# KiCad board tida_010057_imported.kicad_pcb (continued)
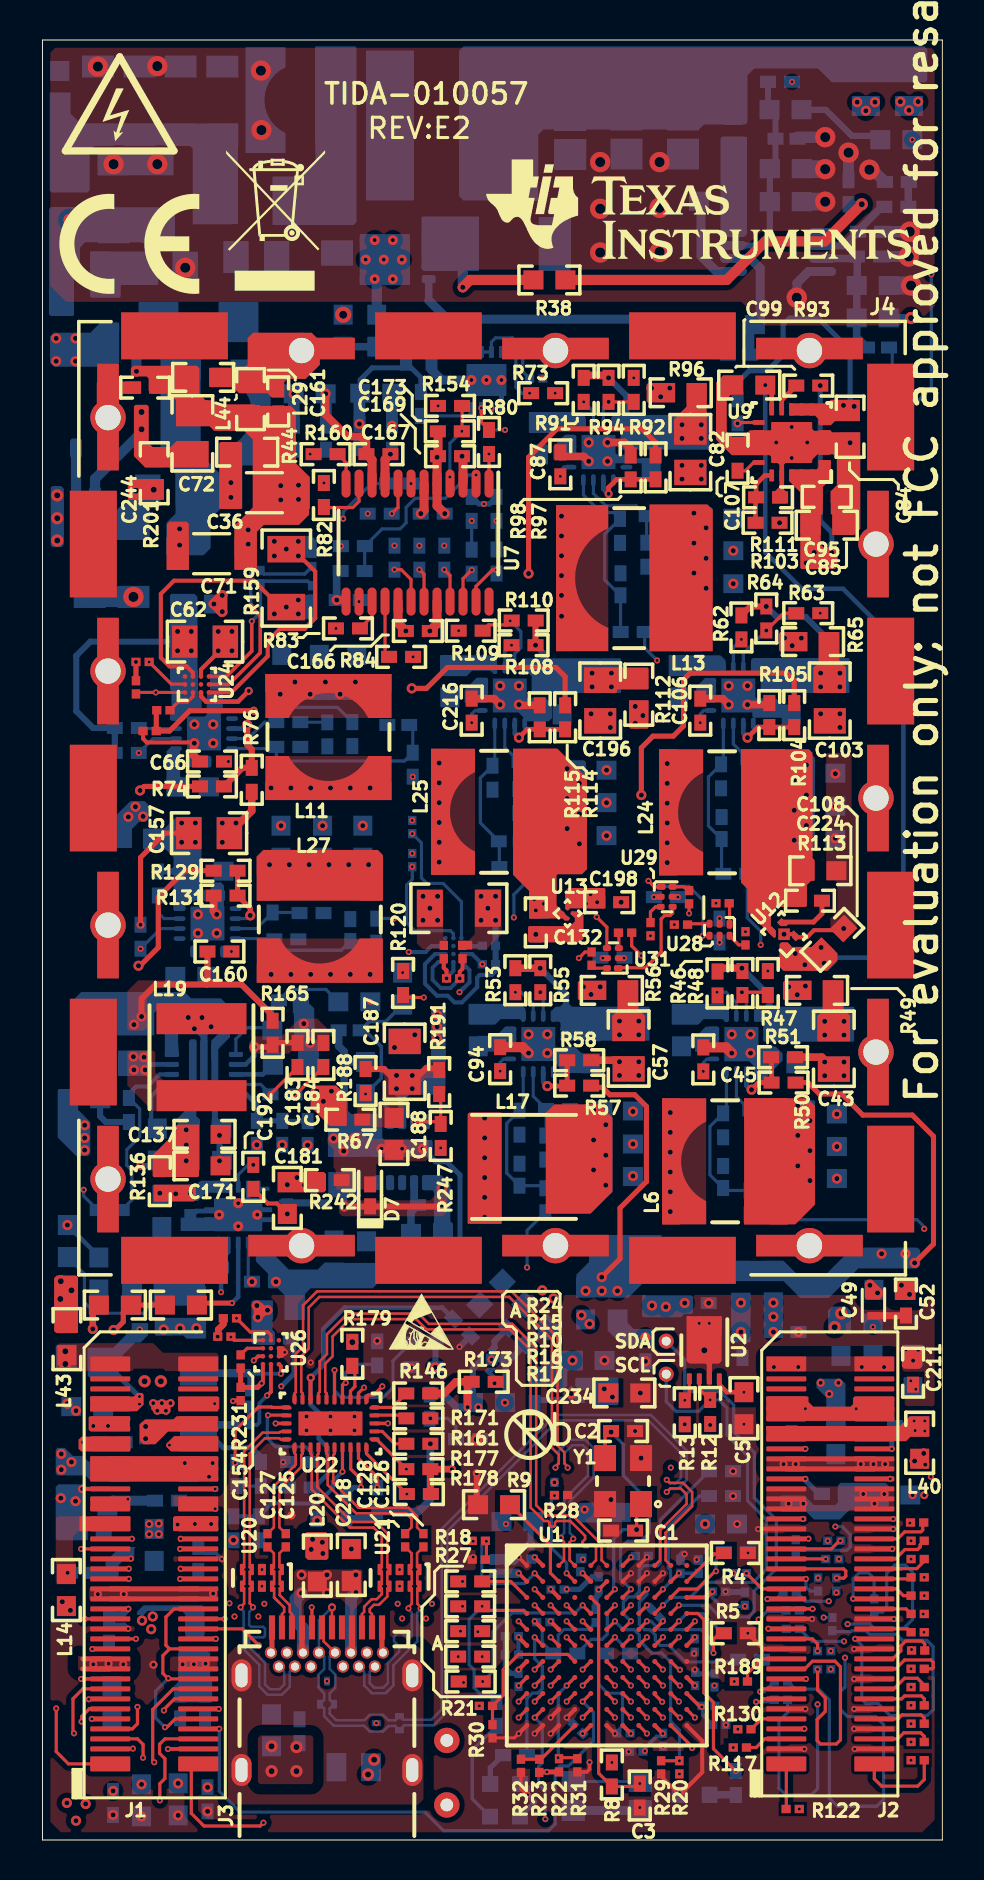
[diagram p0: board, top side]
## Routing (per net, layer and track width the routed paths; a pad name or vN(x,y) marks a point on that pad's centre or on a via; arc(x,y) is an arc through that point) (continued)
NetR219_1: length 32.6
  Top Layer w0.159: v2(24.61,6.92) U1.J2
  Signal Layer 1 w0.102: v2(43.43,14.05) 42.42,14.05 39.16,17.31 37.01,17.31 35.01,15.31 32.69,15.31 31.95,16.05 29.44,16.05 29.1,15.71 26.84,15.71 26.68,15.88 24.64,15.88 23.05,14.28 23.05,7.99 23.69,7.34 23.95,7.34 24.37,6.92 v2(24.61,6.92)
NetR220_1: length 31.7
  Top Layer w0.159: v2(25.41,6.92) U1.J3
  Signal Layer 2 w0.102: v2(25.41,6.92) 25.11,6.92 24.74,7.29 22.64,7.29 22.4,7.53 21.81,7.53 21.44,7.89 21.44,8.26 21.87,8.69 22.3,8.69 22.65,9.04 22.65,10.43 22.8,10.58 23.96,10.58 23.96,10.59 24.01,10.59 24.26,10.34 24.26,9.93 24.56,9.63 25.68,9.63 25.86,9.8 25.86,11.13 26.02,11.29 26.45,11.29 26.66,11.5 26.66,11.88 27.43,12.65 27.43,14.68 28.76,16.01 30.12,16.01 30.45,15.67 30.45,14.73 30.53,14.66 31.22,14.66 31.34,14.78 31.34,15.77 31.9,16.33 34.82,16.33 35.17,15.98 35.17,14.79 34.54,14.16 v2(34.54,13.34)
NetR221_1: length 32.7
  Top Layer w0.159: v2(23.81,6.92) U1.J1
  Signal Layer 1 w0.102: v2(23.81,6.92) 23.71,6.92 22.75,7.88 22.75,14.38 24.57,16.21 26.75,16.21 26.96,16 28.95,16 29.29,16.34 34.9,16.34 36.15,17.59 39.27,17.59 41.91,14.96 42.68,14.96 42.84,14.79 42.84,14.45 42.94,14.36 43.2,14.36 43.43,14.59 v2(43.43,14.96)
NetR222_1: length 30.9
  Top Layer w0.159: v2(24.61,7.72) U1.H2
  Signal Layer 1 w0.102: v2(39.83,14.05) 40.46,14.05 40.89,14.48 40.89,15.01 40.59,15.31 39.11,15.31 38.2,14.4 35.78,14.4 35.44,14.74 26.76,14.74 26.61,14.58 25.65,14.58 25.47,14.77 25.47,15.07 25.35,15.19 24.92,15.19 24.76,15.03 24.76,14.53 25.02,14.27 25.45,14.27 25.6,14.12 25.6,13.87 25.48,13.75 24.39,13.75 24.21,13.56 24.21,13.23 23.67,12.7 23.67,11.7 24.23,11.15 24.23,10.76 23.95,10.49 23.44,10.49 23.3,10.34 23.3,8.3 23.47,8.13 24.21,8.13 v2(24.61,7.72)
NetR223_1: length 31
  Top Layer w0.159: v2(25.41,7.72) U1.H3
  Signal Layer 1 w0.102: v2(25.41,7.72) 25.46,7.72 26.25,8.51 26.25,8.6 28.14,10.49 32.77,10.49 33.12,10.14 34.93,10.14 35.13,9.93 38.37,9.93 39.84,11.4 41.53,11.4 41.68,11.55 41.68,11.56 43.12,13.01 43.12,13.65 42.98,13.8 42.26,13.8 41.74,14.33 41.09,14.33 40.64,13.87 40.64,12.76 39.46,11.59 39.17,11.59 38.79,11.98 37.86,11.98 37.74,12.09 37.74,12.57 37.85,12.67 38.35,12.67 v2(38.79,13.11)
NetR224_1: length 31.1
  Top Layer w0.159: v2(26.21,10.14) U1.F4
  Signal Layer 2 w0.102: v2(39.32,11.94) 39.32,13.54 39.42,13.64 40.28,13.64 40.41,13.51 40.41,12.69 41.29,11.81 41.48,11.81 41.78,12.12 41.78,12.33 41.1,13.02 41.1,14.27 40.88,14.49 37.86,14.49 37.8,14.43 37.8,14.02 37.87,13.94 38.76,13.94 38.84,13.86 38.84,13.56 38.74,13.46 37.92,13.46 37.8,13.34 37.8,12.27 37.23,11.7 36.11,11.7 36.09,11.71 36.09,11.71 35.69,12.11 34.4,12.11 34.05,11.76 32.79,11.76 32.43,12.12 28.35,12.12 27.94,11.71 27.94,11.21 27.25,10.52 26.9,10.52 26.66,10.28 26.52,10.14 v2(26.21,10.14)
  Bottom Layer w0.159: v2(39.32,11.94) 39.32,11.94 38.15,11.94 R224.1
NetR225_1: length 30.8
  Top Layer w0.159: v2(24.61,8.52) U1.G2
  Signal Layer 1 w0.102: v2(39.27,14.96) 39.27,14.65 38.66,14.05 36.06,14.05 35.83,13.82 34.7,13.82 34.59,13.92 34.59,14.33 34.49,14.43 33.38,14.43 33.27,14.33 33.27,13.28 33.2,13.21 32.33,13.21 32.23,13.31 32.23,13.61 32.13,13.72 31.5,13.72 31.32,13.91 31.32,14.33 31.19,14.45 30.78,14.45 30.61,14.27 30.61,13.84 30.49,13.72 28.88,13.72 28.19,14.41 26.92,14.41 26.68,14.17 26.68,13.96 26.4,13.69 26.07,13.69 25.29,12.9 24.43,12.9 23.92,12.39 23.92,11.86 24.5,11.29 24.76,11.29 24.96,11.08 24.96,10.79 24.66,10.49 24.47,10.49 24.26,10.28 24.26,9.98 24.45,9.78 24.71,9.78 24.8,9.7 24.8,9.31 24.63,9.14 24.16,9.14 23.98,9.32 23.98,9.7 23.93,9.75 23.6,9.75 23.54,9.7 23.54,8.98 23.65,8.87 24.91,8.87 25.06,8.72 25.06,8.27 24.94,8.15 24.69,8.15 24.61,8.23 v2(24.61,8.52)
NetR226_1: length 28.8
  Top Layer w0.159: v2(25.41,8.52) U1.G3
  Signal Layer 1 w0.102: v2(39.7,12.37) R226.1 39.27,12.88 39.27,13.44 38.99,13.72 37.7,13.72 37.41,13.44 37.41,11.89 37.26,11.73 36.93,11.73 36.78,11.89 36.78,13.53 36.63,13.68 36.42,13.68 36.27,13.54 36.27,12.57 36.17,12.47 35.64,12.47 35.53,12.57 35.53,12.83 35.44,12.92 33.04,12.92 32.84,12.73 32.84,12.5 32.75,12.41 31.7,12.41 31.62,12.48 31.62,12.78 31.48,12.92 28.12,12.92 27.99,13.05 27.99,13.97 27.86,14.1 27.48,14.1 27.38,13.99 27.38,13.16 27.14,12.92 26.05,12.92 25.83,12.69 25.83,12.45 25.46,12.09 25.27,12.09 25.02,11.84 25.02,11.63 25.36,11.3 25.63,11.3 25.76,11.16 25.76,10.75 25.5,10.49 25.27,10.49 25.04,10.26 25.04,9.1 25.41,8.74 v2(25.41,8.52)
NetR227_1: length 33.2
  Top Layer w0.159: v2(25.41,10.14) U1.F3
  Signal Layer 2 w0.102: v2(44.04,11.3) 44.04,11.35 42.01,13.39 42.01,15.24 40.61,16.64 40.61,18.27 40.41,18.47 40.41,18.9 39.36,19.94 29.51,19.94 25.53,15.97 25.53,14.86 25.83,14.55 25.83,11.53 25.6,11.3 25.28,11.3 25.06,11.08 25.06,10.49 v2(25.41,10.14)
NetR228_1: length 31
  Top Layer w0.159: v2(27.01,10.14) U1.F5
  Signal Layer 2 w0.102: v2(35.81,11.02) 36.02,11.02 36.09,11.1 36.09,11.3 35.89,11.51 35.51,11.51 35.26,11.25 35.26,11.05 35.18,10.98 34.62,10.98 34.52,11.08 34.52,11.3 34.39,11.43 33.86,11.43 33.73,11.3 33.73,10.9 33.64,10.81 33.17,10.81 33.07,10.9 33.07,11.18 32.97,11.29 28.46,11.29 27.41,10.23 27.41,9.22 27.18,8.99 26.64,8.99 25.86,8.21 25.86,7.45 25.73,7.32 25.2,7.32 25.04,7.47 25.04,7.9 24.82,8.13 23.72,8.13 23.46,7.87 23.19,7.59 22.73,7.59 22.42,7.91 22.42,8.4 22.94,8.92 22.94,10.19 23.05,10.3 23.36,10.3 23.45,10.22 23.45,9.84 23.55,9.74 23.86,9.74 24.03,9.57 24.03,9.09 24.13,8.99 24.61,8.99 24.69,9.07 24.69,9.28 24.75,9.34 25.46,9.34 25.55,9.25 25.55,8.94 25.66,8.83 25.86,8.83 25.95,8.93 25.95,9.32 26.06,9.42 26.83,9.42 27.01,9.6 v2(27.01,10.14)
  Bottom Layer w0.159: v2(35.81,11.02) 36.22,11.43 37.17,11.43 37.19,11.41 R228.1
NetR231_1: length 1.3
  Top Layer w0.159: U26.B1 10.24,24.59 R231.1
NetR234_2: length 0.8
  Top Layer w0.159: 32.26,47.47 32.07,47.66 U29.6
NetR235_1: length 1.6
  Top Layer w0.159: U24.B1 7.52,57.18 7.24,56.9 6.78,56.9 R235.1
NetR240_1: length 31.2
  Top Layer w0.159: v2(23.81,10.94) U1.E1
  Signal Layer 1 w0.102: v2(39.65,15.67) 39.65,16.41 39.17,16.89 38.61,16.89 38.49,16.77 38.49,15.83 37.95,15.3 37.95,14.79 37.85,14.69 37.26,14.69 37.13,14.81 37.13,15.55 36.97,15.71 36.66,15.71 36.5,15.55 36.5,14.8 36.38,14.69 35.94,14.69 35.59,15.03 31.76,15.03 31.6,15.19 31.6,15.65 31.48,15.77 30.53,15.77 30.38,15.62 30.38,15.21 30.2,15.03 27.12,15.03 26.65,15.5 24.67,15.5 23.37,14.2 23.37,11.38 v2(23.81,10.94)
  Bottom Layer w0.159: v2(39.65,15.67) 39.99,15.67 40.39,15.27 40.39,14.65 40.23,14.49 37.67,14.49 R240.1
NetR243_1: length 16.1
  Top Layer w0.159: v2(27.01,10.94) U1.E5
  Signal Layer 1 w0.102: v2(39.07,11.13) 38.61,10.67 38.36,10.67 37.59,11.45 35.44,11.45 35.28,11.29 35.28,10.89 34.83,10.44 33.32,10.44 33.02,10.74 33.02,11.04 32.77,11.29 31.67,11.29 31.45,11.51 31.45,11.89 31.22,12.12 30.12,12.12 29.88,11.88 29.88,11.51 29.66,11.3 28.39,11.3 28.03,10.94 v2(27.01,10.94)
  Bottom Layer w0.159: 39.5,11.17 R243.1 v2(39.07,11.12)
NetR244_1: length 33.3
  Top Layer w0.159: v2(26.21,10.94) U1.E4
  Signal Layer 2 w0.102: v2(26.21,10.94) 26.52,10.94 26.87,11.29 27.47,11.29 27.69,11.51 27.69,11.9 28.28,12.49 28.28,12.68 28.51,12.92 35.33,12.92 35.64,13.22 35.64,14.15 35.92,14.43 36.4,14.43 36.65,14.17 36.65,12.35 36.78,12.22 37.29,12.22 37.41,12.34 37.41,15.14 37.8,15.52 38.33,15.52 38.53,15.72 38.53,17.12 38.87,17.45 38.87,17.91 39.02,18.06 39.65,18.06 39.9,17.81 39.9,16.18 40.44,15.65 40.44,15.16 40.64,14.96 41.12,14.96 41.35,14.73 41.35,13.12 v2(44.08,10.39)
NetU28_4: length 6
  Top Layer w0.159: v2(33.02,45.21) U28.4 ; v2(30.3,47.96) 30.6,47.66 U29.1
  Bottom Layer w0.159: v2(33.02,45.21) 33.02,46.99 32.32,47.69 30.57,47.69 v2(30.3,47.96)
NetU29_4: length 5.1
  Top Layer w0.159: U31.1 28.82,43.61 30.15,43.61 30.94,44.4 30.94,46.05 31.11,46.23 31.39,46.23 31.51,46.35 U29.4
PORT: length 3.2
  Top Layer w0.159: v2(15.16,22.86) 15.11,22.86 15,22.75 U22.4
  Bottom Layer w0.159: 16.74,23.76 16.71,23.78 15.49,23.78 R153.1 15.16,23.38 v2(15.16,22.86)
RX_PG_1V2: length 19.1
  Top Layer w0.159: R102.1 27.13,44.4 v2(26.82,44.09)
  Signal Layer 1 w0.102: v2(26.82,44.09) 26.82,46.46 25.3,47.98 25.3,57.9 v2(23.45,59.74)
  Bottom Layer w0.159: U14.14 23.12,59.4 v2(23.45,59.74)
RX_PG_1V8: length 35.9
  Signal Layer 1 w0.102: v2(35.15,45.42) 36.32,46.58 36.32,59.18 35.48,60.02 35.48,67.56 33.92,69.13 33.92,71.01 33.35,71.58 30.84,71.58 30.51,71.25 27.72,71.25 v2(27.06,71.91)
  Bottom Layer w0.159: v2(27.06,71.91) 27.55,71.42 U10.14
RX_PG_3V3: length 19.2
  Signal Layer 1 w0.102: v2(34.95,60.03) 33.44,58.52 33.44,55.23 33.15,54.94 33.15,46.43 31.93,45.21 v2(30.4,45.21)
  Bottom Layer w0.159: U11.14 34.55,59.63 v2(34.95,60.03)
SSRX1_N: length 17.9
  Top Layer w0.127: v2(9.91,11.63) 9.91,11.64 10.08,11.82 10.08,12.58 U20.6 10.08,12.8 10.08,13.41 U20.5 10.08,13.63 10.08,19.44 11.01,20.37 11.85,20.37 11.89,20.41 12.19,20.41 U22.14
  Bottom Layer w0.127: v2(9.91,11.63) 9.91,11.59 10.06,11.44 10.06,9.54 10.85,8.75 10.85,7.67 11.25,7.26 11.97,7.26 12.36,7.66 12.36,8.41 J3.B10
SSRX1_P: length 17.9
  Top Layer w0.127: 10.53,11.58 v2(10.53,11.63) 10.53,11.67 10.36,11.84 10.36,12.58 U20.7 10.36,12.8 10.36,13.41 U20.4 10.36,13.63 10.36,19.33 11.12,20.09 11.85,20.09 11.91,20.03 U22.15
  Bottom Layer w0.127: J3.B11 12.08,8.41 12.08,7.77 11.86,7.54 11.37,7.54 11.13,7.79 11.13,8.87 10.34,9.65 10.34,10.03 10.44,10.13 11.05,10.13 11.13,10.21 11.13,10.57 11.03,10.66 10.42,10.66 10.34,10.74 10.34,11.4 10.52,11.58 10.53,11.58
SSRX2_N: length 11.9
  Top Layer w0.127: U22.18 13.4,19.31 13.46,19.25 13.46,17.53 15.37,15.62 16.56,15.62 16.97,15.22 16.97,13.63 U21.5 16.97,13.41 16.97,12.8 U21.6 16.97,12.58 16.97,12.29 16.71,12.04 16.46,12.04 16.08,11.66 16.08,11.4 15.97,11.29 J3.A10
SSRX2_P: length 11.9
  Top Layer w0.127: J3.A11 16.47,11.29 16.36,11.4 16.36,11.55 16.57,11.76 16.83,11.76 17.25,12.18 17.25,12.58 U21.7 17.25,12.8 17.25,13.41 U21.4 17.25,13.63 17.25,15.33 16.68,15.9 15.48,15.9 13.74,17.64 13.74,19.25 13.8,19.31 U22.19
SSRXM: length 34.3
  Top Layer w0.127: U1.A3 26.08,13.99 26.08,14.9 25.92,15.06 v2(25.92,15.11) ; v2(26.26,18.62) 26.26,18.67 26.1,18.84 26.1,19.38 25.76,19.72 25.76,25.13 23.46,27.43 13.73,27.43 13.03,26.73 13.03,24.67 12.66,24.31 12.66,22.38 12.6,22.32 U22.10
  Bottom Layer w0.127: v2(25.92,15.11) 25.92,15.19 26.09,15.35 26.09,17.03 27.28,18.23 27.28,19.48 27.03,19.74 26.49,19.74 26.1,19.34 26.1,18.84 26.26,18.67 v2(26.26,18.62)
SSRXP: length 34.3
  Top Layer w0.127: U1.A4 26.36,13.99 26.36,14.89 26.53,15.06 v2(26.54,15.06) ; U22.9 13,22.34 12.94,22.4 12.94,24.19 13.31,24.56 13.31,26.62 13.84,27.15 23.34,27.15 25.48,25.02 25.48,19.61 25.82,19.27 25.82,18.84 25.65,18.67 v2(25.65,18.62)
  Bottom Layer w0.127: v2(25.65,18.62) 25.65,18.67 25.82,18.84 25.82,19.46 26.38,20.02 27.14,20.02 27.56,19.6 27.56,18.11 26.37,16.92 26.37,15.36 26.54,15.18 v2(26.54,15.06)
SSTX1_N: length 4.6
  Top Layer w0.127: J3.A3 12.47,11.29 12.36,11.4 12.36,11.74 11.86,12.24 11.86,12.58 U20.10 11.86,12.8 11.86,13.41 U20.1 11.85,13.65 11.85,14.34 C125.1
SSTX1_N_SYS: length 4.9
  Top Layer w0.127: C127.2 11.57,15.63 11.57,17.68 12.66,18.77 12.66,19.27 12.6,19.33 U22.16
SSTX1_P: length 5
  Top Layer w0.127: 11.58,12.13 11.58,12.58 U20.9 11.58,12.8 11.58,13.41 U20.2 11.57,13.62 11.57,14.34 C127.1 ; 11.58,12.13 12.08,11.63 12.08,11.4 11.97,11.29 J3.A2 ; 11.58,12.13 11.84,11.87
SSTX1_P_SYS: length 4.9
  Top Layer w0.127: U22.17 13,19.31 12.94,19.25 12.94,18.66 11.85,17.56 11.85,15.63 C125.2
SSTX2_N: length 10.7
  Top Layer w0.127: v2(18.91,11.58) 18.91,11.65 18.75,11.81 18.75,12.58 U21.10 18.75,12.8 18.75,13.41 U21.1 18.73,13.65 18.73,14.34 C126.2
  Bottom Layer w0.127: J3.B3 16.08,8.41 16.08,7.73 16.47,7.34 17.16,7.34 17.55,7.73 17.55,8.74 18.75,9.94 18.75,11.37 18.91,11.53 v2(18.91,11.58)
SSTX2_N_SYS: length 7.7
  Top Layer w0.127: C128.1 18.45,15.63 18.45,16.07 18.19,16.33 15.68,16.33 14.26,17.75 14.26,19.25 14.2,19.31 U22.20
SSTX2_P: length 10.7
  Top Layer w0.127: 18.45,12.57 18.47,12.58 ; 18.47,12.58 18.47,11.81 18.3,11.65 v2(18.3,11.58) ; 18.47,12.58 U21.9 18.47,12.8 18.47,13.41 U21.2 18.45,13.62 18.45,14.34 C128.2
  Bottom Layer w0.127: v2(18.3,11.58) 18.3,11.53 18.47,11.37 18.47,10.19 18.36,10.08 18.24,10.08 17.98,10.34 17.75,10.34 17.58,10.16 17.58,9.94 17.83,9.68 17.83,9.42 17.27,8.86 17.27,7.85 17.04,7.62 16.59,7.62 16.36,7.84 16.36,8.41 J3.B2
SSTX2_P_SYS: length 7.7
  Top Layer w0.127: C126.1 18.73,15.63 18.73,16.18 18.3,16.61 15.8,16.61 14.54,17.87 14.54,19.25 14.6,19.31 U22.21
SSTXM: length 28.2
  Top Layer w0.127: 15.25,26.31 15.26,26.32 ; 15.25,26.31 15.26,26.32 ; 15.25,26.31 14.22,25.29 14.22,24.3 13.86,23.93 13.86,22.4 13.8,22.34 U22.7 ; 15.26,26.32 18.8,26.32 19.32,25.81 23.48,25.81 23.57,25.72 24.69,24.6 24.69,16.74 25.2,16.23 26.51,16.23 27.96,14.78 27.96,13.99 U1.A6
SSTXP: length 28.2
  Top Layer w0.127: U22.6 14.2,22.34 14.14,22.4 14.14,23.82 14.5,24.18 14.5,25.17 15.38,26.04 18.68,26.04 19.2,25.53 23.37,25.53 24.41,24.49 24.41,16.62 25.08,15.95 25.27,15.95 25.35,15.88 25.35,15.75 25.43,15.67 25.58,15.67 25.63,15.72 25.63,15.88 25.7,15.95 26.39,15.95 27.13,15.21 27.13,15.04 27,14.91 27,14.76 27.1,14.66 27.25,14.66 27.38,14.78 27.56,14.78 27.68,14.66 27.68,13.99 U1.A5
SYNC_1V2_FX3: length 66.4
  Signal Layer 2 w0.102: v2(18.85,64.72) 18.85,64.22 20.35,62.72 26.18,62.72 27.05,61.85 35.08,61.85 35.66,62.43 41.49,62.43 43.12,60.8 43.12,31.53 v2(44.09,30.56)
  Bottom Layer w0.159: v2(44.09,30.56) 44.09,30.66 43.74,31.01 35.62,31.01 C239.1
SYNC_1V2_RX: length 63.5
  Signal Layer 1 w0.102: v2(14.07,67.85) 16.93,64.99 16.93,57.56 17.96,56.53 17.96,45.61 18.24,45.34 20.62,45.34 20.88,45.59 20.88,48.44 21.16,48.72 23.67,48.72 23.83,48.87 23.83,49.45 23.68,49.6 22.62,49.6 22.51,49.7 22.51,50.22 22.63,50.33 23.71,50.33 23.83,50.44 23.83,51.05 23.67,51.21 22.62,51.21 22.51,51.32 22.51,51.83 22.63,51.95 23.66,51.95 23.83,52.12 23.83,52.71 23.7,52.83 22.62,52.83 22.51,52.93 22.51,53.45 22.63,53.57 23.72,53.57 23.83,53.67 23.83,54.33 23.71,54.45 22.62,54.45 22.51,54.55 22.51,55.76 22.94,56.18 24.36,56.18 24.73,55.81 24.73,48.43 23.57,47.27 v2(23.57,46.13)
  Bottom Layer w0.159: C238.1 24.04,47.74 23.57,47.27 v2(23.57,46.13)
SYNC_1V8_FX3: length 62.3
  Signal Layer 1 w0.102: v2(24.23,28.63) 21.92,28.63 21.33,29.22 21.33,41.67 21.06,41.93 20.66,41.93 19.94,42.65 19,42.65 18.82,42.82 18.82,43.41 18.92,43.51 19.3,43.51 19.41,43.61 19.41,43.89 19.28,44.02 18.92,44.02 18.82,44.12 18.82,44.68 18.97,44.83 19.67,44.83 19.76,44.74 19.76,44.3 19.86,44.2 20.29,44.2 20.4,44.3 20.4,44.7 20.52,44.83 22.82,44.83 24.16,46.17 24.16,47.37 25.01,48.23 25.01,57.54 22.68,59.87 22.68,62.46 23.09,62.87 23.09,66.97 22.68,67.39 21.36,67.39 21.01,67.03 21.01,64.62 20.68,64.29 18.03,64.29 v2(17.6,64.72)
  Bottom Layer w0.159: C240.1 24.23,30.47 v2(24.23,28.63)
SYNC_1V8_RX: length 64.6
  Signal Layer 2 w0.102: v2(18.53,59.16) 18.88,59.51 18.88,61.91 19.08,62.1 19.74,62.1 19.94,61.9 19.94,59.11 20.32,58.72 21.03,58.72 21.34,59.03 21.34,61.29 21.54,61.49 22.12,61.49 22.33,61.29 22.33,59 22.61,58.72 23.8,58.72 24.03,58.95 24.03,60.35 24.21,60.53 24.97,60.53 25.22,60.27 25.22,58.57 25.48,58.32 26.19,58.32 26.39,58.52 26.39,60.07 26.59,60.27 27.38,60.27 27.53,60.12 27.53,59.03 27.71,58.85 29.51,58.85 30.51,57.86 30.51,55.63 29.31,54.43 29.31,51.74 29.71,51.34 34.95,51.34 36.94,49.35 37.92,49.35 38.69,50.12 38.69,54.35 36.76,56.28 35.05,56.28 35.05,56.29 34.92,56.29 34.92,56.28 34.11,56.28 33.78,56.61 33.78,59.26 33.38,59.66 31.42,59.66 v2(30.73,58.98)
  Bottom Layer w0.159: C69.1 30.11,59.6 v2(30.73,58.98)
SYNC_3V3_RX: length 65.3
  Signal Layer 2 w0.102: v2(35.92,44.75) 35.92,46.28 36.17,46.53 38.3,46.53 38.51,46.74 38.51,47.47 38.28,47.7 36.14,47.7 35.9,47.94 35.9,49.52 35.06,50.36 29.02,50.36 27.56,51.82 27.56,54.07 27.15,54.48 24.74,54.48 24.64,54.58 24.64,55.27 24.79,55.42 25.78,55.42 25.98,55.63 25.98,57.58 25.7,57.86 24.77,57.86 24.54,57.63 24.54,56.49 24.31,56.26 21.84,56.26 19.56,58.55 18.26,58.55 17.42,59.39 16.56,59.39 16.46,59.49 16.46,59.82 16.59,59.94 17.45,59.94 17.6,60.1 17.6,60.48 17.48,60.6 16.48,60.6 16.36,60.73 16.36,61.06 16.48,61.19 17.45,61.19 17.6,61.34 17.6,62.97 17.4,63.17 16.97,63.17 16.79,62.99 16.79,61.75 16.66,61.62 16.31,61.62 16.22,61.71 16.22,62.7 16.08,62.84 15.57,62.84 15.42,62.69 15.42,61.7 15.17,61.45 14.56,61.45 14,60.88 14,59.59 14.35,59.24 15.8,59.24 16.01,59.45 16.01,60.95 15.77,61.19 15.28,61.19 v2(14.67,60.58)
  Bottom Layer w0.159: C237.1 35.25,46.11 35.92,45.44 v2(35.92,44.75)
SYNC_5V_TX: length 62.2
  Signal Layer 1 w0.102: v2(16.4,41.91) 16.4,42.71 16.48,42.79 17.38,42.79 17.53,42.65 17.53,42.06 16.72,41.25 14.71,41.25 14.58,41.38 14.58,41.99 14.66,42.06 15.77,42.06 15.85,42.14 15.85,42.47 15.72,42.6 12.42,42.6 11.93,43.08 11.93,44.53 12.31,44.91 13.97,44.91 14.2,44.68 14.2,44.02 14.33,43.89 14.99,43.89 15.11,44.02 15.11,44.65 15.29,44.83 15.62,44.83 15.77,44.68 15.77,44.07 15.9,43.94 16.59,43.94 16.69,44.04 16.69,44.75 17.07,45.14 17.07,53.23 16.6,53.69 16.6,55.32 17.07,55.78 17.07,56.62 16.36,57.33 16.36,58.39 16.08,58.67 11.96,58.67 11.43,59.21 11.43,60.35 11.84,60.76 13.11,60.76 13.44,61.09 13.44,67.76 13.91,68.24 19.61,68.24 20.68,67.17 20.68,65.3 v2(20.09,64.72)
SYNC_-5V_TX: length 58.6
  Signal Layer 1 w0.102: v2(22.45,71.6) 22.45,71.55 22.11,71.21 17.26,71.21 16.69,70.64 16.69,69.72 15.59,68.62 11.88,68.62 11.11,67.85 11.11,59.01 11.4,58.72 11.4,54.45 10.77,53.82 10.77,48.51 11.2,48.08 15.57,48.08 15.93,47.73 15.93,45.67 15.6,45.34 10.8,45.34 10.49,45.03 10.49,42.9 11.67,41.72 13.48,41.72 14.23,40.97 16.92,40.97 18.01,42.06 v2(18.01,43.37)
SYNC_FPGA_1V: length 63.9
  Signal Layer 1 w0.102: v2(15.04,66.07) 15.04,66.32 14.45,66.9 13.92,66.9 13.72,66.71 13.72,60.97 13.22,60.47 12.14,60.47 11.71,60.05 11.71,59.33 12.08,58.96 12.32,58.96 12.42,59.06 12.42,59.98 12.51,60.07 12.88,60.07 13,59.94 13,59.06 13.11,58.96 13.37,58.96 13.46,59.06 13.46,60.24 13.69,60.46 14.13,60.46 14.25,60.35 14.25,59.14 14.43,58.96 14.73,58.96 14.86,59.09 14.86,60.21 15.26,60.62 15.77,60.62 15.88,60.5 15.88,60.17 15.57,59.86 15.57,59.11 15.72,58.96 16.13,58.96 16.23,59.06 16.23,60.78 16.03,60.99 14.15,60.99 14,61.14 14,65.18 14.27,65.46 15.27,65.46 15.47,65.25 15.47,64.16 15.24,63.93 14.58,63.93 14.38,63.73 14.38,63.27 14.5,63.14 15.32,63.14 15.47,62.99 15.47,62.64 15.6,62.51 16,62.51 16.15,62.66 16.15,64.67 16.23,64.74 16.56,64.74 16.64,64.66 16.64,57.45 17.58,56.51 v2(17.58,46.08)
  Bottom Layer w0.159: v2(15.04,66.07) 15.04,66.41 16.45,67.82 R86.1 ; C65.1 16.7,46.08 v2(17.58,46.08)
SYNC_FPGA_2V5: length 63.3
  Signal Layer 1 w0.102: 21.34,58.95 19.36,58.95 19.15,59.16 19.15,59.64 19.36,59.84 21.34,59.84 21.49,59.99 21.49,60.88 21.26,61.11 20.88,61.11 20.75,61.24 20.75,62.92 20.55,63.12 20.07,63.12 19.86,62.92 19.86,61.24 19.66,61.04 19.18,61.04 18.97,61.24 18.97,62.92 18.77,63.12 18.29,63.12 18.08,62.92 18.08,61.24 17.88,61.04 17.4,61.04 17.21,61.22 17.21,64.9 17.52,65.2 19.33,65.2 19.63,65.5 19.63,67.21 19.41,67.44 17.91,67.44 17.42,67.92 16.91,67.92 16.78,67.8 16.78,67.23 16.69,67.13 16.34,67.13 16.19,67.28 16.19,67.77 16.03,67.92 15.37,67.92 15.21,67.77 15.21,67.37 v2(16.27,66.32) ; 21.34,58.95 21.62,58.67 21.62,58.26 21.42,58.06 19.36,58.06 19.15,57.86 19.15,57.38 19.36,57.18 21.34,57.18 21.49,57.02 21.49,56.46 20.85,55.83 18.93,55.83 18.72,55.62 18.72,55.11 18.89,54.94 21.49,54.94 21.62,54.81 21.62,54.33 21.51,54.23 20.6,54.23 20.47,54.1 20.47,53.64 20.57,53.54 21.48,53.54 21.62,53.4 21.62,52.96 21.49,52.83 20.68,52.83 20.57,52.73 20.57,52.4 20.65,52.32 21.31,52.32 21.44,52.2 21.44,51.77 21.05,51.38 18.6,51.38 18.39,51.59 18.39,52.3 18.6,52.51 19.11,52.51 19.3,52.71 19.3,54.37 19.15,54.52 18.68,54.52 18.52,54.35 v2(18.52,53.16) ; 21.34,58.95 21.49,58.8
SYNC_HV_TX: length 65.9
  Signal Layer 1 w0.102: v2(13.39,69.29) 13.39,70.05 16.43,73.1 18.42,73.1 18.62,73.3 18.62,75.54 18.92,75.84 19.76,75.84 20.01,75.6 20.01,73.82 20.27,73.56 21.39,73.56 21.74,73.91 21.74,79.65 21.59,79.81 18.8,79.81 18.44,80.16 18.44,88.28 19.06,88.9 20.62,88.9 20.95,88.57 20.95,85.96 21.14,85.78 21.77,85.78 21.96,85.96 21.96,88.56 22.3,88.9 38.65,88.9 39.37,88.19 39.37,86.46 39.94,85.88 41.83,85.88 42.7,85.01 v2(43.5,85.01)
SYNC_INPUT: length 1.3
  Top Layer w0.159: R80.2 21.95,70.88 v2(21.95,71.6)
TX_5V: length 8.8
  Top Layer w0.254: J1.61 J1.62 ; J1.57 J1.58
  vias: v1(6.06,25.53) v1(6.88,25.58) v1(7.7,25.59) v3(7.11,18.85) v3(8.33,18.16) v3(8.51,18.85)
TX_-5V:
  vias: v1(10.72,26.72) v1(10.77,26.14) v1(11.25,26.49) v3(2.54,20.7) v3(3.28,20.7)
UART_RX: length 22.5
  Top Layer w0.159: v2(2.12,11.06) J1.29
  Signal Layer 2 w0.102: v2(21.06,7.87) 18.52,10.41 18.1,10.41 17.74,10.77 9.93,10.77 8.73,9.57 3.61,9.57 v2(2.12,11.06)
UART_TX: length 27.5
  Top Layer w0.159: J1.25 v2(4.67,10.06) ; v2(24.61,12.53) U1.C2
  Signal Layer 2 w0.102: v2(24.61,12.53) 21.95,12.53 20.29,14.19 17.78,14.19 15.16,16.82 10.52,16.82 7.82,14.12 7.82,13.08 6.05,11.31 6.05,10.44 5.66,10.05 4.67,10.05 v2(4.67,10.06)
VFB_FPGA_1V: length 3.3
  Top Layer w0.254: R129.1 R131.2 10.39,46.58 v1(10.39,46.23)
  Bottom Layer w0.159: U30.6 10.23,46.07 v1(10.39,46.23)
VFB_FPGA_2V5: length 4.8
  Top Layer w0.305: R74.1 10,53.61 R76.2 10.46,54.53 10.24,54.76 v1(10.24,55.75)
  Bottom Layer w0.239: U6.6 10.05,55.57 v1(10.24,55.75)
VFB_FX3_1V2: length 3.4
  Top Layer w0.254: v1(35.46,37.52) 35.81,37.87 R50.1 36.46,39.12 R51.2
  Bottom Layer w0.236: v1(35.46,37.52) 35.41,37.52 35.2,37.72 35.2,38.39
VFB_FX3_1V8: length 3.1
  Top Layer w0.236: R58.2 R57.1 26.21,37.69 v1(25.25,37.69)
  Bottom Layer w0.236: v1(25.25,37.69) 25.04,37.9 U5.6
VFB_RX_1V2: length 3.3
  Top Layer w0.236: v1(23.83,55.12) 24.24,55.53 R115.2 R114.1
  Bottom Layer w0.236: U14.6 23.62,55.33 v1(23.83,55.12)
VFB_RX_1V8: length 3.6
  Top Layer w0.236: R97.1 R98.2 28.71,68.03 28.31,67.63 v3(28.31,67.31)
  Bottom Layer w0.236: v3(28.31,67.31) 28.28,67.31 28.05,67.54 U10.6
VFB_RX_3V3: length 3.3
  Top Layer w0.236: R104.1 R105.2 35.78,55.65 v1(35.26,55.12)
  Bottom Layer w0.236: v1(35.26,55.12) 35.05,55.33 U11.6
VTX_5V: length 11.5
  Top Layer w0.203: U24.D1 9.45,57.38 11.26,59.19 11.26,59.94 11.87,60.55 13.11,60.55 13.64,61.09 13.64,63.42 12.52,64.55 v1(12.19,64.55)
  vias: v1(2.11,35.74) v1(2.11,35.1) v1(2.11,34.49) v1(11.59,64.93) v1(11.59,64.2) v1(12.79,64.93) v1(12.79,64.2) v1(19.74,41.25) v1(19.74,40.67) v1(19.74,40.08) v1(40.74,86.89) v1(41.17,86.46) v1(41.63,86.89)
XTALIN: length 5.8
  Top Layer w0.159: Y1.1 29.71,16.57 v1(29.71,15.52) ; U1.C6 v2(28.63,12.53)
  Bottom Layer w0.159: v1(29.71,15.52) 29.03,15.52 28.56,15.05 28.56,12.6 v2(28.63,12.53)
XTALOUT: length 12
  Top Layer w0.159: Y1.3 28.13,20.15 C2.1 ; U1.C7 v2(29.43,12.53) ; 28.43,18.7 28.46,18.67
  Bottom Layer w0.159: v2(29.43,12.53) 28.91,13.06 28.91,14.58 29.26,14.94 29.92,14.94 30.35,15.37 30.35,16.92 29.06,18.21 29.06,19.77 v1(28.43,20.4) 28.43,20.42

## Copper pours and planes (outline as drawn; the poured copper is in the pictures)
1.8V_AVDD on Bottom Layer (solid shape): 38.1,17.22 38.58,16.74 39.64,16.74 39.78,16.87 39.78,17.72 39.91,17.86 42.16,17.86 42.32,17.7 42.32,16.69 42.13,16.51 40.36,16.51 39.88,16.03 38.58,16.03 38.2,16.41 36.98,16.41 36.91,16.48 36.91,17.2 36.93,17.22
1.8V_AVDD on Top Layer: 42.6,17.68 42.6,16.46 42.57,16.43 36.2,16.43 36.2,17.68
1.8V_AVDD_VCA on Top Layer: 36.2,19.18 42.6,19.18 42.6,18.44 36.2,18.44
1.8V_AVDD_VCA on Bottom Layer: 37.8,19.33 37.97,19.15 38.33,19.15 38.56,19.38 38.56,19.67 38.64,19.76 40.41,19.76 41.07,19.1 42.55,19.1 42.62,19.02 42.62,18.52 42.55,18.44 37.03,18.44 36.78,18.69 36.78,20.73 36.86,20.8 37.72,20.8 37.8,20.73
1V2_DVDD on Top Layer: 4.39,9.19 1.78,9.19 1.78,8.43 4.39,8.43
1V2_DVDD on Bottom Layer: 1.75,8.59 1.85,8.48 2.26,8.48 2.39,8.36 2.39,7.54 2.77,7.16 4.32,7.16 4.39,7.24 4.39,9.7 3.84,10.26 1.8,10.26 1.75,10.21
1V8_AVDD_IO_TX on Top Layer (solid shape): 6.7,21.18 6.55,21.03 5.13,21.03 4.88,20.78 4.88,19.96 5.05,19.79 5.64,19.79 6.27,20.42 8.76,20.42 8.76,21.18
1V8_AVDD_IO_TX on Bottom Layer: 5.37,19.79 5.16,19.58 3.71,19.58 3.71,20.88 3.43,21.16 2.57,21.16 2.51,21.21 2.51,22.15 3.89,22.15 5.46,20.57 5.46,19.86 5.38,19.79
1V8_DVDD on Top Layer (solid shape): 1.85,16.18 4.37,16.18 4.39,16.15 4.39,15.45 1.85,15.44
1V8_DVDD on Top Layer: 0.66,16.07 0.77,16.18 4.39,16.18 4.39,15.44 1.82,15.44 1.52,15.15 1.52,14 1.68,13.84 1.68,12.83 1.65,12.8 0.71,12.8 0.66,12.85
1V8_VDD_RX on Top Layer (solid shape): 38.91,64.77 39.04,64.64 39.62,64.64 39.75,64.52 39.75,63.68 39.62,63.55 37.95,63.55 37.9,63.6 37.9,67.39 37.34,67.95 37.34,68.5 37.36,68.53 38.71,68.53 38.81,68.63 38.81,68.96 38.84,68.99 39.4,68.99 39.42,68.96 39.42,68.05 39.01,67.64 39.01,66.32 38.91,66.22
1V8_VDD_RX on Bottom Layer (solid shape): 39.37,64.93 39.08,64.63 38.48,64.63 37.93,64.08 37.93,63.74 38.08,63.59 39.18,63.59 39.73,64.15 39.73,64.77 39.58,64.93
1V8_VDD_RX on Bottom Layer (solid shape): 39.9,23.06 40.16,22.81 40.16,20.4 39.22,20.4 39.19,20.42 39.19,22.12 38.71,22.61 38.71,22.96 38.81,23.06
